# Altium PCB jetson_xavier_nx_board.PcbDoc (part 1 of 6) (continued)
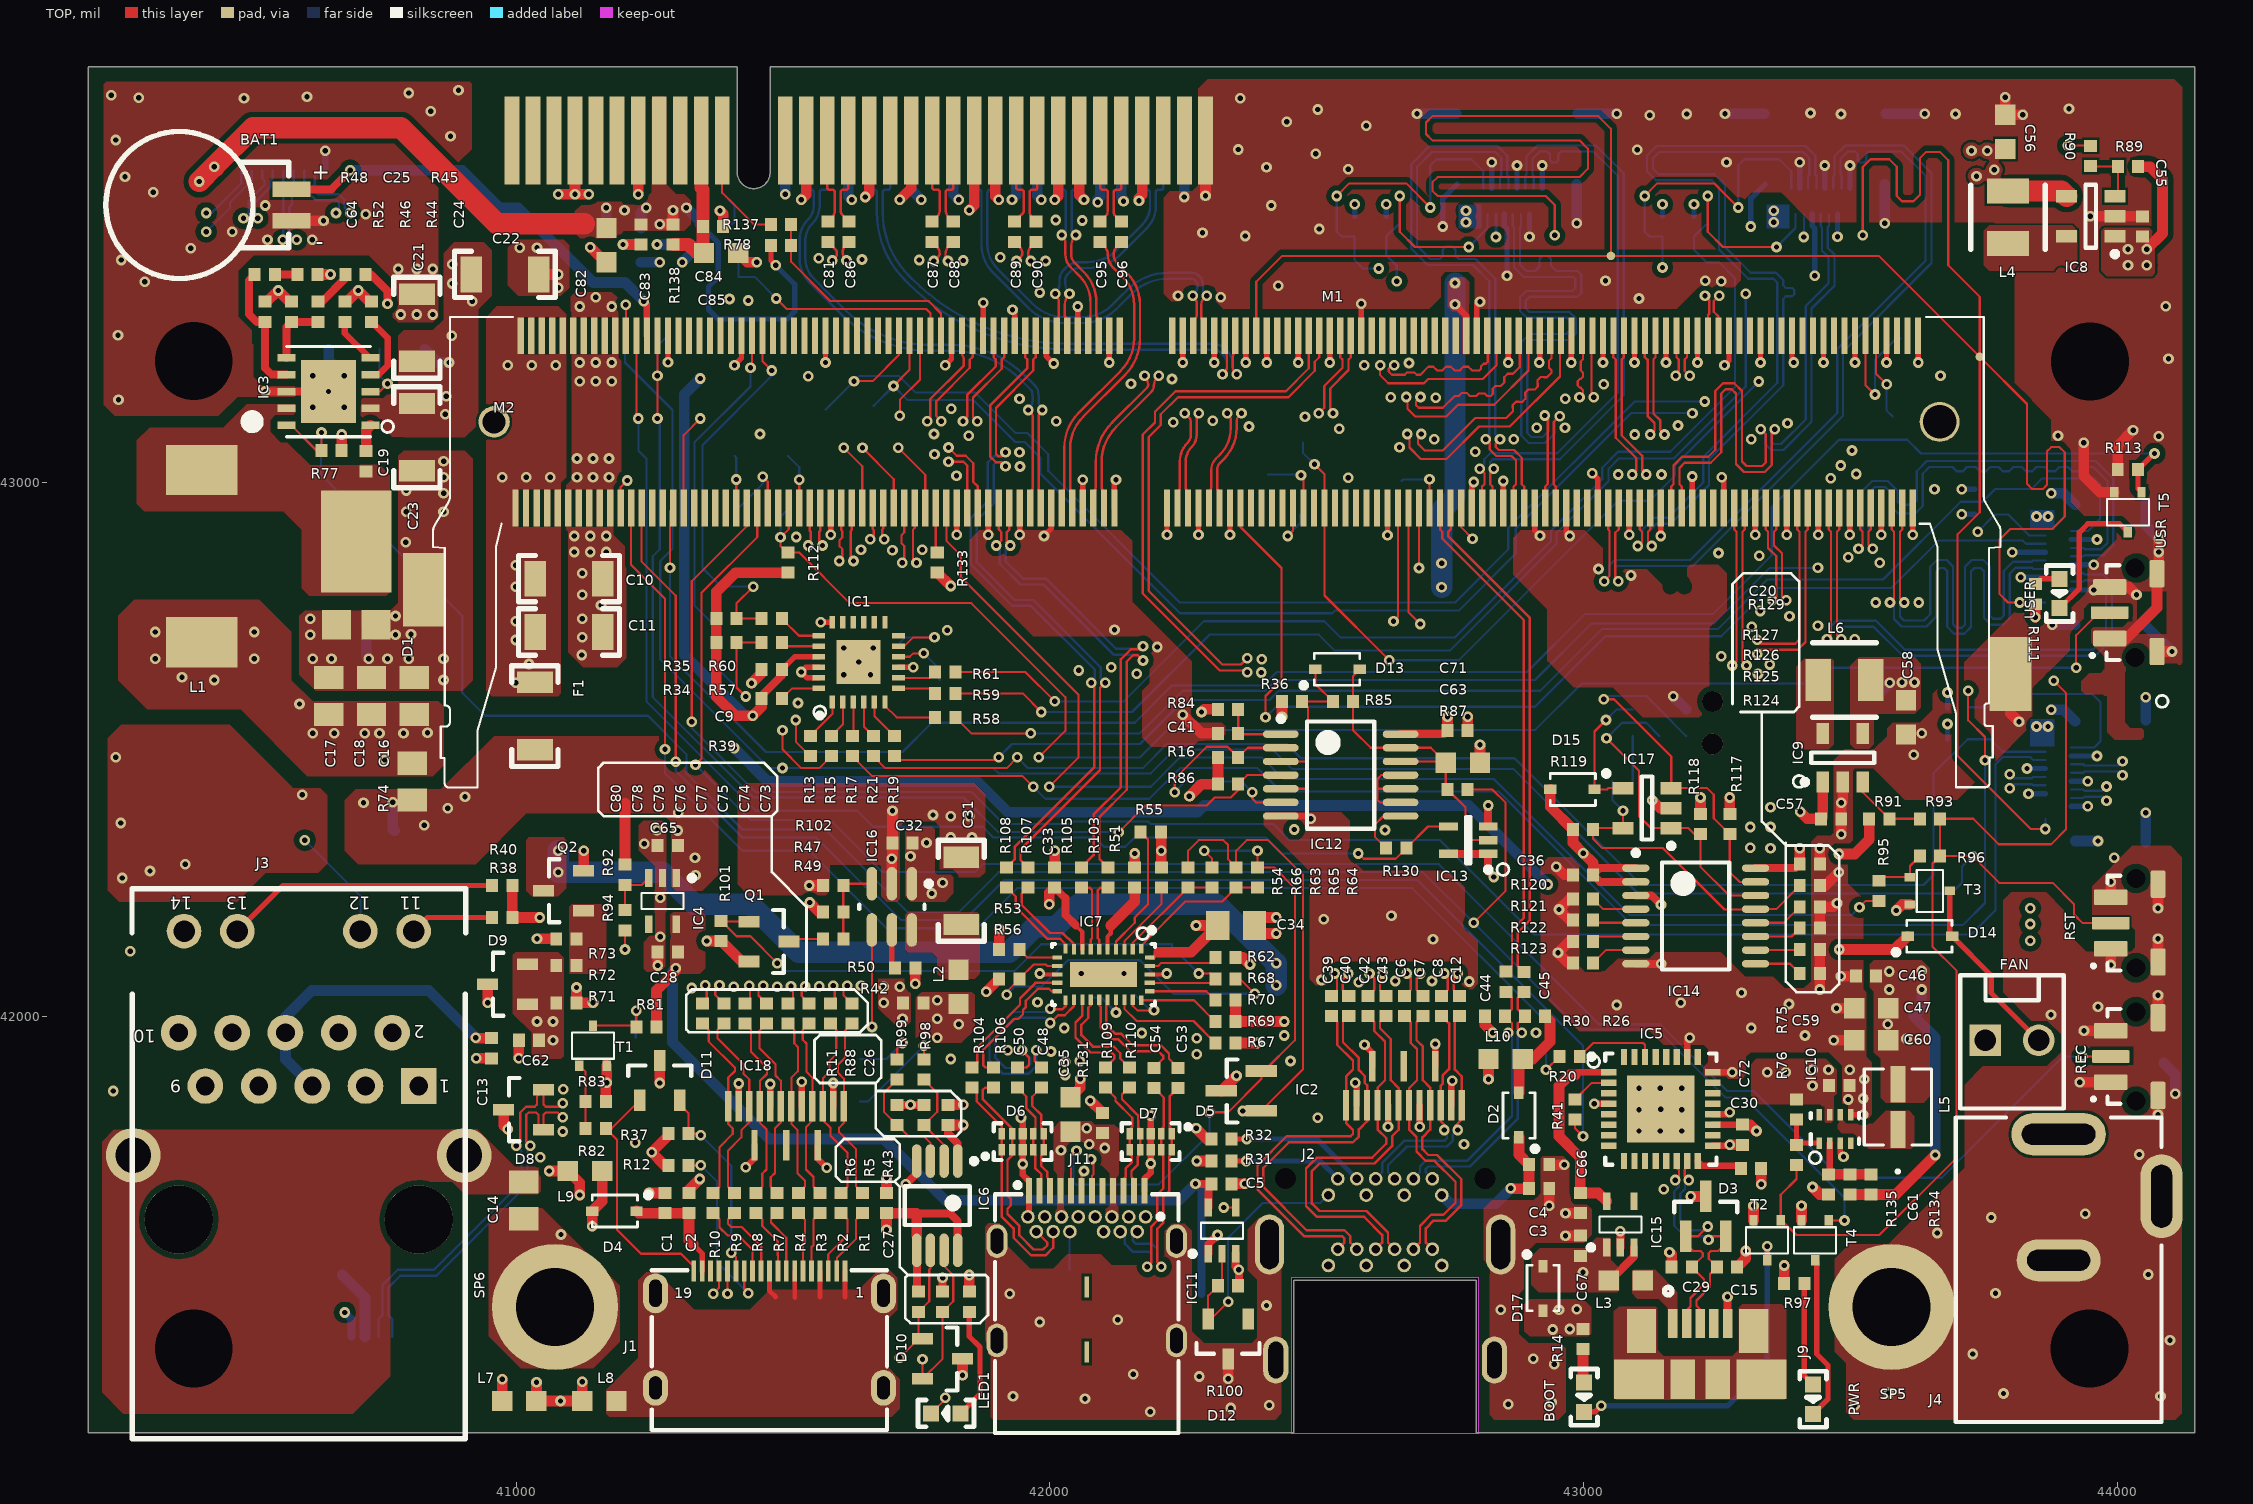
[diagram p0: TOP view]
## Components (designator, comment, footprint, x,y, rotation, side; value= is the part's Value field where it differs from the comment) (continued)
C92 "100n" 0402 41343.82,43465.47 r90 bottom
C93 "10u" 0603 41168.82,43445.47 r90 bottom
C94 "100n" 0402 41293.82,43465.47 r90 bottom
C95 "100n" 0402 42093.82,43470.47 r270 top
C96 "100n" 0402 42133.82,43470.47 r270 top
D1 "PDS760-13" PowerDI 40700,42890 r270 top
D2 "1N4148WS" SOD-323 42878.82,41815.47 r180 top
D3 "TPD2E009DBZR" SOT-23 43228.83,41625.47 r90 top
D4 "1N4148WS" SOD-323 41183.82,41635.47 r270 top
D5 "TPD2E009DBZR" SOT-23 42358.82,41860.47 r180 top
D6 "TPD4E05U06" TPD4E05U06_PASS 41948.82,41765.47 r0 top
D7 "TPD4E05U06" TPD4E05U06_PASS 42188.82,41765.47 r180 top
D8 "TPD2E009DBZR" SOT-23s 41013.83,41825.47 r180 top
D9 "TPD2E009DBZR" SOT-23s 40983.83,42060.47 r180 top
D10 "TPD2E009DBZR" SOT-23s 41798.68,41358.47 r0 top
D11 "TPD2E009DBZR" SOT-23s 41268.82,41880.47 r90 top
D12 "TPD2E009DBZR" SOT-23s 42333.82,41395.47 r270 top
D13 "1N4148WS" SOD-323 42538.82,42650.47 r90 top
D14 "1N4148WS" SOD-323 43648.82,42150.47 r90 top
D15 "1N4148WS" SOD-323 42978.82,42425.47 r270 top
D17 "1N4148WS" SOD-323 42923.82,41490.47 r0 top
F1 "Value" Fuse-1206 41035,42500 r90 top
FAN "MX-22-23-2021" molex_2223-2021 43802.75,41955.28 r0 top
IC1 "TCA9548ARGER" VQFN-24 41641.48,42664.11 r180 top
IC2 "TPD8S009" SON-15 42663.1,41870.08 r180 top
IC3 "TPS54561-Q1" WSON-10_4x4 40648.09,43171.05 r270 top
IC4 "TLV70018DCKT" SC70-5 41299.68,42259.47 r270 top
IC5 "FT232RQ" QFN-32 43144.68,41826.47 r0 top locked
IC6 "PCA9517ADP" MSOP-8 41788.82,41645.47 r270 top
IC7 "HD3SS3220" RNH0030A 42100.11,42078.84 r270 top
IC8 "LM3671MF-3.3" SOT23-5N 43950.26,43499.48 r180 top
IC9 "LM3671MF-3.3" SOT23-5N 43485.54,42484.62 r90 top
IC10 "TPS62823DLCT" TPS62823 43470.96,41789.47 r90 top
IC11 "SN74LV1T125DCKR" SC70-5 42296.68,41555.47 r90 top
IC12 "74HC00PW" TSSOP-14 42544.82,42452.33 r0 top
IC13 "SN74LVC1G126DCKR" R-PDSO-G5 42783.82,42330.47 r180 top
IC14 "PCA9500PW" TSSOP-16 43209.93,42188.34 r0 top
IC15 "TLV70018DCKT" SC70-5 43043.23,41567.16 r90 top
IC16 "NCP380HSNAJAAT1G" TSOP-6 41703.81,42205.48 r270 top
IC17 "AT24CS01-ST" SOT23-5 43118.82,42390.46 r180 top
IC18 "TPD8S009" SON-15 41505.62,41795.28 r0 top
J1 "685119136923" WE_685119136923 41474.44,41380.95 r0 top
J2 "2129320-3" 2129320-3 42627.99,41526.62 r0 top
J3 "WE_7499110124" WE_7499110124 40592.49,41889.77 r180 top
J4 "MJ-179PH" DC_SOCKET 43890,41240 r90 top
J5 "Molex 47346-0001" CON-Molex-047346-0001 40742.1,41350.4 r90 bottom
J6 "Micro HDMI" HDMI-0467650301 43976.38,42846.46 r270 bottom locked
J7 "Micro HDMI" HDMI-0467650301 42875,43615 r0 bottom locked
J9 "Molex 47346-0001" CON-Molex-047346-0001 43218.47,41375.31 r90 top
J10 "PCA-6L-10-HU-3-T/R" PCA-10 40653.51,43609.77 r0 bottom
J11 "632723300011" WE_632723300011 42068.93,41451.82 r0 top locked
J12 "PCIE-064-02-X-D-EMS2-BG" SAMTEC_PCIE-064-02-X-D-EMS2-BG 41641.69,43779.06 r0 bottom
J13 "Micro HDMI" HDMI-0467650301 43452,43615 r0 bottom locked
J14 "Micro HDMI" HDMI-0467650301 43976.38,42440.94 r270 bottom locked
L1 "WE_7447798720" WE_7447798720 40410.59,42862.57 r270 top
L2 "BLM18EG221SN1D" 0603 41828.82,42055.47 r270 top
L3 "BLM18EG221SN1D" 0603 43078.82,41505.47 r180 top
L4 "LQH32PN2R2NN0L" LQH32PN2R2NN0L 43795.12,43497.49 r90 top
L5 "IHLP1212AEERR47M11" IHLP-1212AE 43588.82,41830.47 r90 top
L6 "LQH32PN2R2NN0L" LQH32PN2R2NN0L 43488.82,42630.47 r0 top
L7 "BLM18SG121TN1D" 0603 41005.68,41279.47 r0 top
L8 "BLM18SG121TN1D" 0603 41155.68,41279.47 r0 top
L9 "BLM18SG121TN1D" 0603 41128.83,41710.47 r0 top
L10 "BLM18SG121TN1D" 0603 42853.82,41920.47 r0 top
LED1 "KPT-1608SGC" LED0603 41805.01,41256.38 r180 top
LOGO "LOGO" LOGO_2 42381.89,42559.06 r180 bottom
M1 "2309413-1" jetson-nano-connector 43564.68,41460.63 r180 top locked
M2 "Value" jetson-nano-module 43576.8,41455.75 r180 top locked
MARK "MARK" MARK 41574.8,42460.63 r180 bottom
PWR "KPT-1608SGC" LED0603 43430.06,41282.8 r270 top
Q1 "PMV32UP" SOT-23s 41473.82,42140.47 r0 top
Q2 "PMV16XN" SOT-23s 41088.82,42235.47 r180 top
R1 "5R6" 0402 41648.82,41650.47 r270 top
R2 "5R6" 0402 41608.82,41650.47 r270 top
R3 "5R6" 0402 41568.82,41650.47 r270 top
R4 "5R6" 0402 41528.82,41650.47 r270 top
R5 "2k" 0402 41798.82,41465.46 r270 top
R6 "2k" 0402 41753.82,41465.46 r270 top
R7 "5R6" 0402 41488.82,41650.47 r270 top
R8 "5R6" 0402 41448.83,41650.47 r270 top
R9 "5R6" 0402 41408.82,41650.47 r270 top
R10 "5R6" 0402 41368.82,41650.47 r270 top
R11 "2k" 0402 41713.82,41815.46 r270 top
R12 "0R" 0402 41303.83,41720.47 r0 top
R13 "0R" 0402 41550.93,42506.63 r90 top
R14 "470R" 0402 42998.82,41395.47 r90 top
R15 "0R" 0402 41590.3,42506.63 r90 top
R16 "1k" 0402 42333.82,42485.47 r0 top
R17 "0R" 0402 41629.67,42506.63 r90 top
R18 "2k" 0402 43751.97,42940.94 r0 bottom
R19 "0R" 0402 41708.41,42506.63 r90 top
R20 "22R" 0402 42973.82,41925.47 r180 top
R21 "0R" 0402 41669.04,42506.63 r90 top
R22 "2k" 0402 43751.97,42988.19 r0 bottom
R23 "2k" 0402 42629.92,43480.32 r270 bottom
R24 "2k" 0402 42570.87,43480.32 r270 bottom
R25 "2k" 0402 43206.92,43480.32 r270 bottom
R26 "100k" 0402 42908.82,42000.47 r0 top
R27 "2k" 0402 43147.87,43480.32 r270 bottom
R28 "2k" 0402 43700.79,42519.68 r0 bottom
R29 "2k" 0402 43700.79,42578.74 r0 bottom
R30 "100k" 0402 42833.82,42000.47 r0 top
R31 "1M" 0402 42321.68,41729.22 r0 top
R32 "1M" 0402 42321.68,41770.47 r0 top
R33 "10k" 0402 41397.64,43385.83 r0 bottom
R34 "2k" 0402 41393.83,42700.47 r0 top
R35 "2k" 0402 41393.83,42745.47 r0 top
R36 "1k" 0402 42453.82,42590.47 r180 top
R37 "2k" 0402 41303.82,41780.47 r180 top
R38 "220R" 0402 40973.82,42185.47 r0 top
R39 "0R" 0402 41478.82,42595.47 r180 top
R40 "220R" 0402 40973.81,42245.47 r180 top
R41 "22R" 0402 42983.82,41825.46 r270 top
R42 "0R" 0402 41743.83,42025.47 r0 top
R43 "470R" 0402 41848.82,41465.47 r90 top
R44 "243k" 0402 40678.82,43320.47 r90 top
R45 "49R9" 0402 40698.83,43390.47 r0 top
R46 "53k6" 0402 40628.82,43320.47 r90 top
R47 "0R" 0402 41593.82,42195.47 r180 top
R48 "16k9" 0402 40528.82,43390.47 r180 top
R49 "0R" 0402 41593.82,42145.47 r0 top
R50 "10k2" 0402 41728.82,42090.47 r180 top
R51 "909k" 0402 42158.82,42260.48 r90 top
R52 "10k2" 0402 40578.82,43320.46 r270 top
R53 "200k" 0402 41923.82,42125.47 r180 top
R54 "10k" 0402 42208.82,42260.46 r270 top
R55 "2k" 0402 42188.82,42345.47 r180 top
R56 "0R" 0402 41923.82,42070.47 r0 top
R57 "0R" 0402 41478.82,42700.47 r180 top
R58 "0R" 0402 41803.82,42560.47 r180 top
R59 "0R" 0402 41803.81,42605.47 r180 top
R60 "0R" 0402 41478.82,42745.47 r180 top
R61 "0R" 0402 41803.81,42645.47 r180 top
R62 "0R" 0402 42328.82,42110.47 r180 top
R63 "0R" 0402 42303.82,42260.48 r90 top
R64 "0R" 0402 42388.82,42260.48 r90 top
R65 "0R" 0402 42348.82,42260.46 r270 top
R66 "0R" 0402 42258.82,42260.47 r270 top
R67 "200k" 0402 42328.81,41950.46 r0 top
R68 "0R" 0402 42328.83,42070.48 r180 top
R69 "2k" 0402 42328.83,41990.47 r180 top
R70 "2k" 0402 42328.83,42030.47 r180 top
R71 "0R" 0402 41093.82,42025.47 r0 top
R72 "10k" 0402 41093.82,42095.47 r0 top
R73 "2k" 0402 41093.82,42145.47 r180 top
R74 "0R" 0805 40805,42440 r270 top
R75 "0R" 0402 43398.82,41825.47 r90 top
R76 "10k" 0402 43398.82,41740.47 r270 top
R77 "100k" 0402 40653.82,43060.47 r0 top
R78 "100k" 0402 41496.06,43444.88 r180 top
R81 "2k" 0402 41243.82,41980.47 r180 top
R82 "0R" 0402 41148.82,41790.47 r180 top
R83 "2k" 0402 41148.82,41840.47 r0 top
R84 "200k" 0402 42333.82,42575.47 r180 top
R85 "470k" 0402 42548.83,42590.47 r0 top
R86 "200k" 0402 42333.82,42435.47 r180 top
R87 "1k" 0402 42763.82,42425.47 r180 top
R88 "2k" 0402 41763.82,41815.46 r270 top
R89 "0R" 0402 44020.13,43592.48 r0 top
R90 "10k" 0402 43950.12,43612.49 r90 top
R91 "0R" 0402 43553.82,42370.47 r180 top
R92 "0R" 0402 41203.82,42265.47 r270 top
R93 "10k" 0402 43648.82,42370.47 r0 top
R94 "10k" 0402 41203.82,42180.47 r270 top
R95 "10k" 0402 43553.82,42235.47 r270 top
R96 "10k" 0402 43648.82,42300.47 r0 top
R97 "470R" 0402 43394.68,41499.47 r180 top
R98 "0R" 0402 41763.82,41900.47 r90 top
R99 "0R" 0402 41713.82,41900.47 r90 top
R100 "100k" 0402 42333.82,41495.47 r180 top
R101 "100k" 0402 41383.82,42160.47 r270 top
R102 "10k" 0402 41593.82,42245.47 r0 top
R103 "0R" 0402 42108.82,42260.46 r270 top
R104 "0R" 0402 41853.82,41885.46 r270 top
R105 "0R" 0402 42058.82,42260.46 r270 top
R106 "0R" 0402 41893.82,41885.46 r270 top
R107 "0R" 0402 41958.82,42260.46 r270 top
R108 "0R" 0402 41918.82,42260.47 r270 top
R109 "0R" 0402 42103.82,41885.46 r270 top
R110 "0R" 0402 42148.82,41885.46 r270 top
R111 "470R" 0402 43846.46,42791.34 r270 top
R112 "100k" 0402 41508.82,42850.46 r270 top
R113 "100k" 0402 44019.69,43024.88 r180 top
R117 "2k" 0402 43273.82,42360.46 r270 top
R118 "2k" 0402 43218.82,42360.46 r270 top
R119 "100k" 0402 42998.83,42350.47 r0 top
R120 "0R" 0402 42998.82,42220.47 r180 top
R121 "0R" 0402 42998.83,42180.47 r180 top
R122 "0R" 0402 42998.83,42140.47 r180 top
R123 "0R" 0402 42998.82,42100.47 r180 top
R124 "0R" 0402 43423.82,42080.47 r0 top
R125 "0R" 0402 43423.82,42125.47 r0 top
R126 "0R" 0402 43423.82,42165.47 r0 top
R127 "0R" 0402 43423.82,42205.47 r0 top
R129 "0R" 0402 43423.82,42245.47 r180 top
R130 "0R" 0402 42648.82,42315.47 r180 top
R131 "10k" 0402 42098.82,41800.47 r270 top
R132 "0R" 0402 43073.02,42441 r0 bottom
R133 "0R" 0402 41788.82,42850.48 r270 top
R134 "243k" 0402 43538.82,41685.47 r90 top
R135 "53k6" 0402 43458.82,41685.47 r90 top
R136 "0R" 0402 41403.82,43465.47 r270 bottom
R137 "0R" 0402 41496.06,43484.25 r180 top
R138 "0R" 0402 41293.82,43465.48 r90 top
REC "TL3340AF160QG" TL3340AF160QG#1 44035,41925 r270 top
RST "TL3340AF160QG" TL3340AF160QG#1 44035,42175 r270 top
SP1 "9774060151" M2.5-6mm 43948.77,43227.41 r0 bottom
SP2 "9774060151" M2.5-6mm 43947.83,41377.95 r0 bottom
SP3 "9774060151" M2.5-6mm 40395.64,43228.35 r0 bottom
SP4 "9774060151" M2.5-6mm 40395.64,41377.95 r180 bottom
SP5 "9774060151" M2.5-6mm 43576.8,41455.75 r0 top
SP6 "9774060151" M2.5-6mm 41072.8,41455.75 r0 top
T1 "BSS138PW" SC70-3 41143.82,41945.47 r90 top
T2 "BSS138PW" SC70-3 43343.82,41580.47 r270 top
T3 "BSS138PW" SC70-3 43648.82,42235.47 r0 top
T4 "BSS138PW" SC70-3 43433.82,41580.47 r270 top
T5 "BSS138PW" SC70-3 44019.68,42944.88 r270 top
TP1 "Testpad" TP-R-1.5 41373.82,42730.47 r0 bottom
TP2 "Testpad" TP-R-1.5 41413.82,42950.47 r270 bottom
TP3 "Testpad" TP-R-1.5 43578.68,43124.47 r270 bottom
TP4 "Testpad" TP-R-1.5 43593.82,43270.47 r270 bottom
TP5 "Testpad" TP-R-1.5 40743.82,43250.47 r270 bottom
TP6 "Testpad" TP-R-1.5 42468.82,42940.47 r270 bottom
TP8 "Testpad" TP-R-1.5 42473.82,43075.47 r270 bottom
TP9 "Testpad" TP-R-1.5 42408.82,43015.47 r270 bottom
TP10 "Testpad" TP-R-1.5 41373.82,42815.47 r270 bottom
TP11 "Testpad" TP-R-1.5 41793.82,42630.47 r270 bottom
TP12 "Testpad" TP-R-1.5 41718.82,42700.47 r270 bottom
TP13 "Testpad" TP-R-1.5 41508.82,43050.48 r270 bottom
TP14 "Testpad" TP-R-1.5 41408.81,43050.47 r270 bottom
TP16 "Testpad" TP-R-1.5 40828.83,43250.47 r270 bottom
TP17 "Testpad" TP-R-1.5 40648.82,43250.47 r270 bottom
TP18 "Testpad" TP-R-1.5 42228.82,42135.47 r270 bottom
TP19 "Testpad" TP-R-1.5 42036.82,41525.48 r270 bottom
TP21 "Testpad" TP-R-1.5 42078.82,42035.46 r270 bottom
TP22 "Testpad" TP-R-1.5 40673.82,41515.47 r270 bottom
TP23 "Testpad" TP-R-1.5 41669.83,43144.47 r270 bottom
TP24 "Testpad" TP-R-1.5 41579.83,43137.47 r270 bottom
TP25 "Testpad" TP-R-1.5 41223.82,41960.47 r270 bottom
TP26 "Testpad" TP-R-1.5 42658.82,43003.47 r270 bottom
TP27 "Testpad" TP-R-1.5 41228.82,43060.47 r270 bottom
TP28 "Testpad" TP-R-1.5 41285.82,43273.48 r270 bottom
TP29 "Testpad" TP-R-1.5 41205.82,43274.47 r270 bottom
TP30 "TC2030" TC2030 43141.72,42550.47 r180 bottom
TP31 "Testpad" TP-R-1.5 41193.83,42950.47 r270 bottom
TP32 "Testpad" TP-R-1.5 42158.82,42040.47 r270 bottom
TP33 "Testpad" TP-R-1.5 41643.81,41840.47 r270 bottom
TP34 "Testpad" TP-R-1.5 41643.82,41920.47 r270 bottom
TP35 "Testpad" TP-R-1.5 44007.87,43055.12 r270 bottom
TP36 "Testpad" TP-R-1.5 41508.82,42950.47 r270 bottom
TP37 "Testpad" TP-R-1.5 43708.82,42250.47 r270 bottom
TP38 "Testpad" TP-R-1.5 41033.82,43265.47 r270 bottom
TP40 "Testpad" TP-R-1.5 40633.82,43015.47 r270 bottom
TP41 "Testpad" TP-R-1.5 43618.82,42000.47 r90 bottom
TP42 "Testpad" TP-R-1.5 40771.82,42348.47 r270 bottom
TP43 "Testpad" TP-R-1.5 43805.12,43622.48 r90 bottom
TP44 "Testpad" TP-R-1.5 40718.82,42725.47 r270 bottom
TP45 "Testpad" TP-R-1.5 43525.82,42603.47 r270 bottom
TP47 "Testpad" TP-R-1.5 42283.82,41480.47 r270 bottom
USER "KPT-1608SGC" LED0603 43891.68,42792.47 r270 top
USR "TL3340AF160QG" TL3340AF160QG#2 44033.07,42756.62 r270 top locked

## Footprints (in the part's own frame and the unit in brackets; to place one, negate y for a bottom-side part, rotate by r counter-clockwise, add the part's x,y. Pads: shape width x height; smd on the part's side, far side on the other; paste and mask are expansions set on the pad)
0402 [mm]
  rect 0.57x0.62 smd: 1(-0.48,0) 2(0.48,0)
  body extent -0.47,-0.25 0.53,0.25, height 0.35
0603 [mm] "Chip Inductor Ferrite Bead 0603"
  rect 0.97x0.96 smd: 1(-0.815,0) 2(0.815,0)
  body extent -0.87,-0.48 0.87,0.47, height 0.6
0805 [mm]
  rect 1.1x1.4 smd: 1(-0.875,0) 2(0.875,0)
  body extent -1,-0.63 1,0.63, height 0.78
1206 [mm]
  rect 1.016x1.7 smd: 1(-1.6,0) 2(1.6,0)
  silkscreen extent -2.4,-1.1 2.4,1.1, body extent -1.63,-0.79 1.58,0.84, height 0.61
2129320-3 [mm]
  round 0.65 hole 0.4: 1(-2.7,0.175) 2(-2.7,3.525) 3(-2.25,0.95) 4(-2.25,4.3) 5(-1.35,0.95) 6(-1.35,4.3) 7(-0.9,0.175) 8(-0.9,3.525) 9(-0.45,0.95) 10(-0.45,4.3) 11(0.45,0.95) 12(0.45,4.3) 13(0.908,0.175) 14(0.908,3.525) 15(1.35,0.95) 16(1.35,4.3) 17(2.25,0.95) 18(2.25,4.3) 19(2.7,0.175) 20(2.7,3.525)
  oval 1.4x2.85 hole 0.9 slot 2.35 at 90 deg: 21(-5.5,1.175) 24(5.5,1.175)
  oval 1.2x2.25 hole 0.7 slot 1.74 at 90 deg: 22(-5.2,-4.325) 23(5.2,-4.325)
  round 0.75 hole 1: M(-4.75,4.325) M(4.75,4.325)
  Keep-Out Layer board cut-out: -4.445,-0.381 4.445,-0.381 4.445,-7.825 -4.445,-7.825
  body extent -5.7,-7.82 5.7,4.83, height 4.18
CON-Molex-047346-0001 [mm]
  rect 1.38x0.45 smd: 1(1.263,1.3) 2(1.263,0.65) 3(1.263,0) 4(1.263,-0.65) 5(1.263,-1.3)
  rect 1.9x2.37 smd: S(-1.397,-2.91) S(-1.397,2.91)
  rect 1.9x1.175 smd: S(-1.397,-0.837) S(-1.397,0.837)
  rect 2.1x1.4 smd: S(0.903,-2.54) S(0.903,2.794)
  silkscreen extent 2.61,1.35 2.97,1.7, body extent -3.8,-3.99 1.63,3.99, height 2.71
DC_SOCKET [mm]
  oval 2x4.5 hole 1 slot 3.5 at 90 deg: 1(13.7,0)
  oval 4x2 hole 1 slot 3 at 0 deg: 2(10.75,-4.9)
  oval 2x4 hole 1 slot 3 at 90 deg: 3(7.7,0)
  silkscreen extent 0,-4.9 14.5,4.9, body extent 0,-5.1 14.1,4.5, height 11.01
Fuse-1206 [mm]
  rect 1.016x1.7 smd: 1(0,0) 2(3.2,0)
  silkscreen extent -0.8,-1.1 4,1.1, body extent -0.03,-0.83 3.18,0.83, height 1.43
HDMI-0467650301 [mm]
  rect 0.23x0.85 smd: 1(1.8,2.825) 3(1.4,2.825) 5(1,2.825) 7(0.6,2.825) 9(0.2,2.825) 11(-0.2,2.825) 13(-0.6,2.825) 15(-1,2.825) 17(-1.4,2.825) 19(-1.8,2.825)
  rect 0.23x1 smd: 2(1.6,1.6) 4(1.2,1.6) 6(0.8,1.6) 8(0.4,1.6) 10(0,1.6) 12(-0.4,1.6) 14(-0.8,1.6) 16(-1.2,1.6) 18(-1.6,1.6)
  rect 1.8x1.38 smd: 20(-2.85,1.41) 21(2.85,1.41)
  rect 1.7x2 smd: 22(-2.9,-1.95) 23(2.9,-1.95)
  body extent -3.28,-4.4 3.22,3.1, height 2.98
IHLP-1212AE [mil]
  rect 69x28 smd: 1(-42.5,0) 2(42.5,0)
  silkscreen extent -124,-63 71,63, body extent -71,-63 71,63, height 61
jetson-nano-connector [mm]
  rect 0.3x1.75 smd: 1(-1.575,-46.1) 2(-1.325,-37.9) 3(-1.075,-46.1) 4(-0.825,-37.9) 5(-0.575,-46.1) 6(-0.325,-37.9) 7(-0.075,-46.1) 8(0.175,-37.9) 9(0.425,-46.1) 10(0.675,-37.9) 11(0.925,-46.1) 12(1.175,-37.9) 13(1.425,-46.1) 14(1.675,-37.9) 15(1.925,-46.1) 16(2.175,-37.9) 17(2.425,-46.1) 18(2.675,-37.9) 19(2.925,-46.1) 20(3.175,-37.9) 21(3.425,-46.1) 22(3.675,-37.9) 23(3.925,-46.1) 24(4.175,-37.9) 25(4.425,-46.1) 26(4.675,-37.9) 27(4.925,-46.1) 28(5.175,-37.9) 29(5.425,-46.1) 30(5.675,-37.9) 31(5.925,-46.1) 32(6.175,-37.9) 33(6.425,-46.1) 34(6.675,-37.9) 35(6.925,-46.1) 36(7.175,-37.9) 37(7.425,-46.1) 38(7.675,-37.9) 39(7.925,-46.1) 40(8.175,-37.9) 41(8.425,-46.1) 42(8.675,-37.9) 43(8.925,-46.1) 44(9.175,-37.9) 45(9.425,-46.1) 46(9.675,-37.9) 47(9.925,-46.1) 48(10.175,-37.9) 49(10.425,-46.1) 50(10.675,-37.9) 51(10.925,-46.1) 52(11.175,-37.9) 53(11.425,-46.1) 54(11.675,-37.9) 55(11.925,-46.1) 56(12.175,-37.9) 57(12.425,-46.1) 58(12.675,-37.9) 59(12.925,-46.1) 60(13.175,-37.9) 61(13.425,-46.1) 62(13.675,-37.9) 63(13.925,-46.1) 64(14.175,-37.9) 65(14.425,-46.1) 66(14.675,-37.9) 67(14.925,-46.1) 68(15.175,-37.9) 69(15.425,-46.1) 70(15.675,-37.9) 71(15.925,-46.1) 72(16.175,-37.9) 73(16.425,-46.1) 74(16.675,-37.9) 75(16.925,-46.1) 76(17.175,-37.9) 77(17.425,-46.1) 78(17.675,-37.9) 79(17.925,-46.1) 80(18.175,-37.9) 81(18.425,-46.1) 82(18.675,-37.9) 83(18.925,-46.1) 84(19.175,-37.9) 85(19.425,-46.1) 86(19.675,-37.9) 87(19.925,-46.1) 88(20.175,-37.9) 89(20.425,-46.1) 90(20.675,-37.9) 91(20.925,-46.1) 92(21.175,-37.9) 93(21.425,-46.1) 94(21.675,-37.9) 95(21.925,-46.1) 96(22.175,-37.9) 97(22.425,-46.1) 98(22.675,-37.9) 99(22.925,-46.1) 100(23.175,-37.9) 101(23.425,-46.1) 102(23.675,-37.9) 103(23.925,-46.1) 104(24.175,-37.9) 105(24.425,-46.1) 106(24.675,-37.9) 107(24.925,-46.1) 108(25.175,-37.9) 109(25.425,-46.1) 110(25.675,-37.9) 111(25.925,-46.1) 112(26.175,-37.9) 113(26.425,-46.1) 114(26.675,-37.9) 115(26.925,-46.1) 116(27.175,-37.9) 117(27.425,-46.1) 118(27.675,-37.9) 119(27.925,-46.1) 120(28.175,-37.9) 121(28.425,-46.1) 122(28.675,-37.9) 123(28.925,-46.1) 124(29.175,-37.9) 125(29.425,-46.1) 126(29.675,-37.9) 127(29.925,-46.1) 128(30.175,-37.9) 129(30.425,-46.1) 130(30.675,-37.9) 131(30.925,-46.1) 132(31.175,-37.9) 133(31.425,-46.1) 134(31.675,-37.9) 135(31.925,-46.1) 136(32.175,-37.9) 137(32.425,-46.1) 138(32.675,-37.9) 139(32.925,-46.1) 140(33.175,-37.9) 141(33.425,-46.1) 142(33.675,-37.9) 143(33.925,-46.1) 144(34.175,-37.9) 145(36.425,-46.1) 146(36.675,-37.9) 147(36.925,-46.1) 148(37.175,-37.9) 149(37.425,-46.1) 150(37.675,-37.9) 151(37.925,-46.1) 152(38.175,-37.9) 153(38.425,-46.1) 154(38.675,-37.9) 155(38.925,-46.1) 156(39.175,-37.9) 157(39.425,-46.1) 158(39.675,-37.9) 159(39.925,-46.1) 160(40.175,-37.9) 161(40.425,-46.1) 162(40.675,-37.9) 163(40.925,-46.1) 164(41.175,-37.9) 165(41.425,-46.1) 166(41.675,-37.9) 167(41.925,-46.1) 168(42.175,-37.9) 169(42.425,-46.1) 170(42.675,-37.9) 171(42.925,-46.1) 172(43.175,-37.9) 173(43.425,-46.1) 174(43.675,-37.9) 175(43.925,-46.1) 176(44.175,-37.9) 177(44.425,-46.1) 178(44.675,-37.9) 179(44.925,-46.1) 180(45.175,-37.9) 181(45.425,-46.1) 182(45.675,-37.9) 183(45.925,-46.1) 184(46.175,-37.9) 185(46.425,-46.1) 186(46.675,-37.9) 187(46.925,-46.1) 188(47.175,-37.9) 189(47.425,-46.1) 190(47.675,-37.9) 191(47.925,-46.1) 192(48.175,-37.9) 193(48.425,-46.1) 194(48.675,-37.9) 195(48.925,-46.1) 196(49.175,-37.9) 197(49.425,-46.1) 198(49.675,-37.9) 199(49.925,-46.1) 200(50.175,-37.9) 201(50.425,-46.1) 202(50.675,-37.9) 203(50.925,-46.1) 204(51.175,-37.9) 205(51.425,-46.1) 206(51.675,-37.9) 207(51.925,-46.1) 208(52.175,-37.9) 209(52.425,-46.1) 210(52.675,-37.9) 211(52.925,-46.1) 212(53.175,-37.9) 213(53.425,-46.1) 214(53.675,-37.9) 215(53.925,-46.1) 216(54.175,-37.9) 217(54.425,-46.1) 218(54.675,-37.9) 219(54.925,-46.1) 220(55.175,-37.9) 221(55.425,-46.1) 222(55.675,-37.9) 223(55.925,-46.1) 224(56.175,-37.9) 225(56.425,-46.1) 226(56.675,-37.9) 227(56.925,-46.1) 228(57.175,-37.9) 229(57.425,-46.1) 230(57.675,-37.9) 231(57.925,-46.1) 232(58.175,-37.9) 233(58.425,-46.1) 234(58.675,-37.9) 235(58.925,-46.1) 236(59.175,-37.9) 237(59.425,-46.1) 238(59.675,-37.9) 239(59.925,-46.1) 240(60.175,-37.9) 241(60.425,-46.1) 242(60.675,-37.9) 243(60.925,-46.1) 244(61.175,-37.9) 245(61.425,-46.1) 246(61.675,-37.9) 247(61.925,-46.1) 248(62.175,-37.9) 249(62.425,-46.1) 250(62.675,-37.9) 251(62.925,-46.1) 252(63.175,-37.9) 253(63.425,-46.1) 254(63.675,-37.9) 255(63.925,-46.1) 256(64.175,-37.9) 257(64.425,-46.1) 258(64.675,-37.9) 259(64.925,-46.1) 260(65.175,-37.9)
  rect 2x3.5 smd: 261(69.525,-34) 262(-5.975,-30)
  round 1.9 hole 1.6 unplated: M(-2.6,-42)
  round 1.5 hole 1.1 unplated: M(66.2,-42)
  silkscreen extent -5.5,-47 69.1,-24.59, body extent -6.27,-46.9 69.82,-21.05, height 9.23
jetson-nano-module [mil]
  body extent -118,-1654 2622,118, height 422
LED0603 [mil]
  rect 30x30 smd: A(-27.5,0) K(27.5,0)
  silkscreen extent -53,-25 53,25, body extent -33,-16 31,16, height 43
LOGO_2 [mil]
  silkscreen extent -471,-256 483,218
LQH32PN2R2NN0L [mm]
  rect 1.2x2 smd: 1(-1.25,0) 2(1.25,0)
  silkscreen extent -1.52,-1.78 1.52,1.78, body extent -1.52,-1.52 1.52,1.65, height 1.4
M2.5-6mm [mm] "SMT Steel Spacer, M2.5 Thread Internal, 6mm"
  round 6 / inner round 0 / far side round 0 hole 3.7 paste-403.566: 1(0,0)
  body extent -2.55,-2.54 2.53,2.55, height 6
MARK [mil]
  silkscreen extent -49,-89 51,54
molex_2223-2021 [mm] "Pinhead male 1x2 pitch 2.54mm straight"
  rect 1.5x1.5 hole 1.02: 1(-1.27,0)
  round 1.5 hole 1.02: 2(1.27,0)
  silkscreen extent -2.46,-3.25 2.46,3.1, body extent -2.49,-3.2 2.44,3.15, height 10.68
MS621FE-FL11E [mm]
  rect 0.75x1.8 smd: +(0.75,0) -(-0.75,0)
  silkscreen extent -3.5,0.13 3.5,8.83, body extent -3.43,-0.59 3.37,8.71, height 2.69
MSOP-8 [mm]
  oval 1.6x0.45 smd: 1(-2.125,0.975) 2(-2.125,0.325) 3(-2.125,-0.325) 4(-2.125,-0.975) 5(2.125,-0.975) 6(2.125,-0.325) 7(2.125,0.325) 8(2.125,0.975)
  silkscreen extent -2.25,-1.55 0.92,1.88, body extent -2.45,-1.52 2.45,1.48, height 1.15
PCA-10 [mm] "FFC connector"
  rect 0.3x1 smd: 1(-4.79,0.635) 2(-4.29,0.635) 3(-3.79,0.635) 4(-3.29,0.635) 5(-2.79,0.635) 6(-2.29,0.635) 7(-1.79,0.635) 8(-1.29,0.635) 9(-0.79,0.635) 10(-0.29,0.635)
  rect 2.4x3 smd: M(-6.64,-1.651) M(1.56,-1.651)
  silkscreen extent -7.75,-4.33 2.67,1.05, body extent -7.53,-4.14 2.19,0.7, height 2.01
PowerDI [mm]
  rect 1.4x1.39 smd: A(3.962,-0.94) A(3.962,0.94)
  rect 4.86x3.36 smd: C(0,0)
  body extent -2.21,-2.08 4.39,1.97, height 1.17
QFN-32 [mm] "QFN, 32-Leads, Body 5,00x5,00mm, Pitch 0,50mm, Thermal Pad 3,20x3,20mm, IPC Medium Density"
  rect 0.75x0.3 smd: 1(-2.475,1.75) 2(-2.475,1.25) 3(-2.475,0.75) 4(-2.475,0.25) 5(-2.475,-0.25) 6(-2.475,-0.75) 7(-2.475,-1.25) 8(-2.475,-1.75) 17(2.475,-1.75) 18(2.475,-1.25) 19(2.475,-0.75) 20(2.475,-0.25) 21(2.475,0.25) 22(2.475,0.75) 23(2.475,1.25) 24(2.475,1.75)
  rect 0.3x0.75 smd: 9(-1.75,-2.475) 10(-1.25,-2.475) 11(-0.75,-2.475) 12(-0.25,-2.475) 13(0.25,-2.475) 14(0.75,-2.475) 15(1.25,-2.475) 16(1.75,-2.475) 25(1.75,2.475) 26(1.25,2.475) 27(0.75,2.475) 28(0.25,2.475) 29(-0.25,2.475) 30(-0.75,2.475) 31(-1.25,2.475) 32(-1.75,2.475)
  rect 3.2x3.2 smd: 33(0,0)
  silkscreen extent -3.42,-2.65 2.65,2.65, body extent -2.5,-2.5 2.5,2.5, height 1
R-PDSO-G5 [mm] "SOT23, 5-Leads, Body 2.00x2.10mm, Pitch 0.65mm, IPC Medium Density"
  rect 0.9x0.4 smd: 1(-0.95,0.65) 2(-0.95,0) 3(-0.95,-0.65) 4(0.95,-0.65) 5(0.95,0.65)
  silkscreen extent -1.08,-1.1 0.1,1.52, body extent -0.7,-1.07 0.7,1.08, height 1.1
RNH0030A [mm]
  rect 0.45x0.2 smd: 1(-1.23,1.8) 10(-1.23,-1.8) 16(1.225,-1.8) 25(1.225,1.8)
  rect 0.5x0.2 smd: 2(-1.2,1.4) 3(-1.2,1) 4(-1.2,0.6) 5(-1.2,0.2) 6(-1.2,-0.2) 7(-1.2,-0.6) 8(-1.2,-1) 9(-1.2,-1.4) 17(1.2,-1.4) 18(1.2,-1) 19(1.2,-0.6) 20(1.2,-0.2) 21(1.2,0.2) 22(1.2,0.6) 23(1.2,1) 24(1.2,1.4)
  rect 0.2x0.45 smd: 11(-0.8,-2.2) 15(0.8,-2.2) 26(0.8,2.2) 30(-0.8,2.2)
  rect 0.2x0.5 smd: 12(-0.4,-2.2) 13(0,-2.2) 14(0.4,-2.2) 27(0.4,2.2) 28(0,2.2) 29(-0.4,2.2)
  rect 1.2x3.2 smd: 31(0,0)
  silkscreen extent -2.22,-2.45 1.45,2.45, body extent -1.3,-2.3 1.3,2.3, height 0.8
SAMTEC_PCIE-064-02-X-D-EMS2-BG [mm]
  rect 0.7x4.2 smd: A01(-16.5,3.5) A02(-15.5,3.5) A03(-14.5,3.5) A04(-13.5,3.5) A05(-12.5,3.5) A06(-11.5,3.5) A07(-10.5,3.5) A08(-9.5,3.5) A09(-8.5,3.5) A10(-7.5,3.5) A11(-6.5,3.5) A12(-3.5,3.5) A13(-2.5,3.5) A14(-1.5,3.5) A15(-0.5,3.5) A16(0.5,3.5) A17(1.5,3.5) A18(2.5,3.5) A19(3.5,3.5) A20(4.5,3.5) A21(5.5,3.5) A22(6.5,3.5) A23(7.5,3.5) A24(8.5,3.5) A25(9.5,3.5) A26(10.5,3.5) A27(11.5,3.5) A28(12.5,3.5) A29(13.5,3.5) A30(14.5,3.5) A31(15.5,3.5) A32(16.5,3.5)
  rect 0.7x4.2 smd far side: B01(-16.5,3.5) B02(-15.5,3.5) B03(-14.5,3.5) B04(-13.5,3.5) B05(-12.5,3.5) B06(-11.5,3.5) B07(-10.5,3.5) B08(-9.5,3.5) B09(-8.5,3.5) B10(-7.5,3.5) B11(-6.5,3.5) B12(-3.5,3.5) B13(-2.5,3.5) B14(-1.5,3.5) B15(-0.5,3.5) B16(0.5,3.5) B17(1.5,3.5) B18(2.5,3.5) B19(3.5,3.5) B20(4.5,3.5) B21(5.5,3.5) B22(6.5,3.5) B23(7.5,3.5) B24(8.5,3.5) B25(9.5,3.5) B26(10.5,3.5) B27(11.5,3.5) B28(12.5,3.5) B29(13.5,3.5) B30(14.5,3.5) B31(15.5,3.5) B32(16.5,3.5)
  silkscreen extent -19.5,0 19.5,6.31, body extent -19.52,-11.1 19.47,5.72, height 3.75
SC70-3 [mm] "SC70, 3-Leads, Pitch 0,65mm, EIAJ SC-88a"
  rect 0.5x0.4 smd: 1(-0.95,0.65) 2(-0.95,-0.65) 3(0.95,0)
  silkscreen extent -0.63,-1 0.63,1, body extent -1.15,-1.08 1.15,1.02, height 1
SC70-5 [mm] "SC70, 5-Leads, Pitch 0,65mm, EIAJ SC-88a"
  rect 0.85x0.35 smd: 1(0,0) 2(0,-0.65) 3(0,-1.3) 4(2.2,-1.3) 5(2.2,0)
  silkscreen extent -0.12,-1.65 1.47,0.88, body extent 0.07,-1.63 2.17,0.37, height 0.96
SOD-323 [mm]
  rect 0.45x0.59 smd: A(0,-1.055) C(0,1.055)
  silkscreen extent -0.89,-1.05 0.76,1.74, body extent -0.63,-1.25 0.62,1.25, height 1
SON-15 [mm]
  rect 0.3x1.45 smd: 1(2.75,0.925) 2(2.25,0.925) 3(1.75,0.925) 4(1.25,0.925) 5(0.75,0.925) 6(0.25,0.925) 7(-0.25,0.925) 8(-0.75,0.925) 9(-1.25,0.925) 10(-1.75,0.925) 11(-2.25,0.925) 12(-2.75,0.925) 13(1.5,-0.925) 14(0,-0.925) 15(-1.5,-0.925)
  body extent -3.3,-1.3 3.3,1.3, height 0.8
SOT23-5 [mm] "SOT23, 5-Leads, Body 2,90x2,70mm, Pitch 0,95mm, IPC Medium Density"
  rect 1x0.6 smd: 1(-1.15,0.95) 2(-1.15,0) 3(-1.15,-0.95) 4(1.15,-0.95) 5(1.15,0.95)
  silkscreen extent -1.28,-1.5 0.25,1.92, body extent -1.19,-1.46 1.21,1.44, height 1.1
SOT23-5N [mm] "SOT23, 5-Leads, Body 2,90x2,70mm, Pitch 0,95mm, IPC Medium Density"
  rect 1x0.6 smd: 1(-1.15,0.95) 2(-1.15,0) 3(-1.15,-0.95) 4(1.15,-0.95) 6(1.15,0.95)
  silkscreen extent -1.28,-1.5 0.25,1.92, body extent -1.19,-1.46 1.21,1.44, height 1.1
SOT-23 [mm] "SOT23, 3-Leads, Body 2.90x2.45mm, Pitch 0.95mm, IPC Medium Density"
  rect 1.5x0.55 smd: 1(-0.95,0.95) 2(-0.95,-0.95) 3(0.95,0)
  silkscreen extent 0.2,-1.5 0.7,1.5, body extent -1.13,-1.5 1.13,1.5, height 1.21
SOT-23s [mm] "SOT23, 3-Leads, Body 2.90x2.45mm, Pitch 0.95mm, IPC Medium Density"
  rect 1x0.55 smd: 1(-0.95,0.95) 2(-0.95,-0.95) 3(0.95,0)
  silkscreen extent 0.2,-1.5 0.7,1.5, body extent -1.13,-1.5 1.13,1.5, height 1.21
TC2030 [mm]
  round 0.787 smd paste-2: 1(1.265,0.637) 2(1.265,-0.638) 3(-0.01,0.637) 4(-0.01,-0.638) 5(-1.285,0.637) 6(-1.285,-0.638)
  round 0.991 hole 0.991 unplated: M(-2.54,-1.014) M(-2.54,1.013)
TL3340AF160QG#1 [mm] "SWITCH TACT SUB MINI 160GF SMD"
  rrect20% 0.75x1.6 smd: 1(1.225,-1.2) 3(-1.225,-1.2)
  rrect20% 0.6x1.8 smd: 2(0,-1.2)
  round 0.5 hole 0.9: 10(2.125,0) 11(-2.125,0)
  rrect20% 1.3x0.7 smd: SH1(-1.85,1.05) SH2(1.85,1.05)
  silkscreen extent -2.25,-2.07 2.25,-0.75, body extent -2.25,-1.35 2.25,2.05, height 3.3
TL3340AF160QG#2 [mm] "SWITCH TACT SUB MINI 160GF SMD"
  rrect20% 0.75x1.6 smd: 1(1.225,-1.2) 3(-1.225,-1.2)
  rrect20% 0.6x1.8 smd: 2(0,-1.2)
  round 0.5 hole 0.9: 10(2.125,0) 11(-2.125,0)
  rrect20% 1.3x0.7 smd: SH1(-1.85,1.05) SH2(1.85,1.05)
  TOP pour cut-out: -1,0.103 -1,1.5 1,1.5 1,0.103
  silkscreen extent -2.25,-2.07 2.25,-0.75, body extent -2.25,-1.35 2.25,2.05, height 3.3
TP-R-1.5 [mm]
  round 1.5 smd paste-0.75: 1(0,0)
TPD4E05U06_PASS [mm]
  rect 0.3x0.55 smd: 1(-1,-0.385) 1(-1,0.385) 2(-0.5,-0.385) 2(-0.5,0.385) 4(0.5,-0.385) 4(0.5,0.385) 5(1,-0.385) 5(1,0.385)
  rect 0.4x0.55 smd: 3(0,-0.385) 8(0,0.385)
  silkscreen extent -1.87,-0.87 1.38,0.87, body extent -1.25,-0.5 1.25,0.51, height 0.56
TPS62823 [mm]
  rect 0.55x0.25 smd: 1(-0.675,0.75) 2(-0.675,0.25) 3(-0.675,-0.25) 4(-0.675,-0.75) 5(0.675,-0.75) 6(0.675,-0.25) 7(0.675,0.25) 8(0.675,0.75)
  silkscreen extent -0.75,-1.15 0.75,1.15, body extent -0.76,-1.02 0.76,1.02, height 1.1
TSOP-6 [mm]
  oval 1.6x0.5 smd: 1(-1.1,0.95) 2(-1.1,0) 3(-1.1,-0.95) 4(1.1,-0.95) 5(1.1,0) 6(1.1,0.95)
  silkscreen extent -1.22,-1.55 0.1,1.88, body extent -0.85,-1.55 0.85,1.55, height 1.1
TSSOP-14 [mm]
  oval 1.7x0.35 smd: 1(-2.85,1.95) 2(-2.85,1.3) 3(-2.85,0.65) 4(-2.85,0) 5(-2.85,-0.65) 6(-2.85,-1.3) 7(-2.85,-1.95) 8(2.85,-1.95) 9(2.85,-1.3) 10(2.85,-0.65) 11(2.85,0) 12(2.85,0.65) 13(2.85,1.3) 14(2.85,1.95)
  silkscreen extent -2.97,-2.55 1.6,2.8, body extent -3.2,-2.5 3.2,2.5, height 1.21
TSSOP-16 [mm]
  oval 1.3x0.35 smd: 1(-2.85,2.275) 2(-2.85,1.625) 3(-2.85,0.975) 4(-2.85,0.325) 5(-2.85,-0.325) 6(-2.85,-0.975) 7(-2.85,-1.625) 8(-2.85,-2.275) 9(2.85,-2.275) 10(2.85,-1.625) 11(2.85,-0.975) 12(2.85,-0.325) 13(2.85,0.325) 14(2.85,0.975) 15(2.85,1.625) 16(2.85,2.275)
  silkscreen extent -2.97,-2.55 1.6,3.12, body extent -3.2,-2.5 3.2,2.5, height 1.1
VQFN-24 [mm]
  rect 2.1x2.1 smd mask+0.102: 0(0,0)
  rect 0.25x0.6 smd: 1(1.25,1.9) 2(0.75,1.9) 3(0.25,1.9) 4(-0.25,1.9) 5(-0.75,1.9) 6(-1.25,1.9) 13(-1.25,-1.9) 14(-0.75,-1.9) 15(-0.25,-1.9) 16(0.25,-1.9) 17(0.75,-1.9) 18(1.25,-1.9)
  rect 0.6x0.25 smd: 7(-1.9,1.25) 8(-1.9,0.75) 9(-1.9,0.25) 10(-1.9,-0.25) 11(-1.9,-0.75) 12(-1.9,-1.25) 19(1.9,-1.25) 20(1.9,-0.75) 21(1.9,-0.25) 22(1.9,0.25) 23(1.9,0.75) 24(1.9,1.25)
  silkscreen extent 1.76,2.46 1.94,2.64, body extent -2.01,-2.01 2.01,2.01, height 0.8
WE_7447798720 [mm]
  rect 2.4x3.4 smd: 1(-4.1,0) 2(4.1,0)
  silkscreen extent -6.67,2.13 -6.13,2.67, body extent -5.1,-5.1 5.1,5.1, height 6.35
WE_7499110124 [mm] "WE-RJ45 LAN Transformer, THT"
  rect 1.7x1.7 hole 0.89: 1(-5.715,0.51)
  round 1.7 hole 0.89: 2(-4.445,-2.03) 3(-3.175,0.51) 4(-1.905,-2.03) 5(-0.635,0.51) 6(0.635,-2.03) 7(1.905,0.51) 8(3.175,-2.03) 9(4.445,0.51) 10(5.715,-2.03)
  round 1.65 hole 1.02: 11(-5.469,-6.86) 12(-2.929,-6.86) 13(2.921,-6.86) 14(5.461,-6.86)
  round 2.6 hole 1.7: S(-7.878,3.81) S(7.878,3.81)
  round 3.25 hole 3.25 unplated paste+0: ""(-5.715,6.86) ""(5.715,6.86)
  silkscreen extent -7.94,-8.88 7.94,17.3, body extent -8.2,-7.73 8.2,17.57, height 13.35
WE_632723300011 [mm] "USB 3.1 Type C Receptacle Horizontal THR"
  rect 0.3x1.2 smd: A1(-2.75,5.635) A2(-2.25,5.635) A3(-1.75,5.635) A4(-1.25,5.635) A5(-0.75,5.635) A6(-0.25,5.635) A7(0.25,5.635) A8(0.75,5.635) A9(1.25,5.635) A10(1.75,5.635) A11(2.25,5.635) A12(2.75,5.635)
  round 0.65 hole 0.4: B1(2.8,4.385) B2(2.4,3.685) B3(1.6,3.685) B4(1.2,4.385) B5(0.8,3.685) B6(0.4,4.385) B7(-0.4,4.385) B8(-0.8,3.685) B9(-1.2,4.385) B10(-1.6,3.685) B11(-2.4,3.685) B12(-2.8,4.385) Shell(-2,4.385) Shell(2,4.385)
  oval 1x1.6 hole 0.6 slot 1.2 at 90 deg: Shell(-4.27,-1.495) Shell(-4.27,3.235) Shell(4.27,-1.495) Shell(4.27,3.235)
  rect 0.2x1 smd: ""(0,-2.045) ""(0,1.055)
  silkscreen extent -4.37,-5.89 4.37,6.01, body extent -4.37,-5.9 4.37,5.9, height 3.05
WE_685119136923 [mm] "Mini HDMI SMT Horizontal"
  rect 0.23x1 smd: 1(3.6,3.6) 2(3.2,3.6) 3(2.8,3.6) 4(2.4,3.6) 5(2,3.6) 6(1.6,3.6) 7(1.2,3.6) 8(0.8,3.6) 9(0.4,3.6) 10(0,3.6) 11(-0.4,3.6) 12(-0.8,3.6) 13(-1.2,3.6) 14(-1.6,3.6) 15(-2,3.6) 16(-2.4,3.6) 17(-2.8,3.6) 18(-3.2,3.6) 19(-3.6,3.6)
  oval 1.2x1.7 hole 0.6 slot 1.1 at 90 deg: Shell(-5.425,-1.95) Shell(5.425,-1.95)
  oval 1.2x1.9 hole 0.6 slot 1.3 at 90 deg: Shell(-5.425,2.55) Shell(5.425,2.55)
  silkscreen extent -5.6,-3.95 5.6,3.65, body extent -5.63,-3.95 5.62,3.95, height 3.29
WSON-10_4x4 [mm] "QFN, 10-Leads, Body 4,00x4,00mm, Pitch 0,65mm, Thermal Pad 2,50x3,15mm, IPC Medium Density"
  rect 0.356x0.85 smd: 1(1.6,2) 2(0.8,2) 3(0,2) 4(-0.8,2) 5(-1.6,2) 6(-1.6,-2) 7(-0.8,-2) 8(0,-2) 9(0.8,-2) 10(1.6,-2)
  rect 3x2.6 smd: 11(0,0)
  silkscreen extent -2.15,-2 2.15,2, body extent -2,-2.02 2,2.02, height 0.8